# Altium PCB S6.PcbDoc (part 1 of 14) (continued)
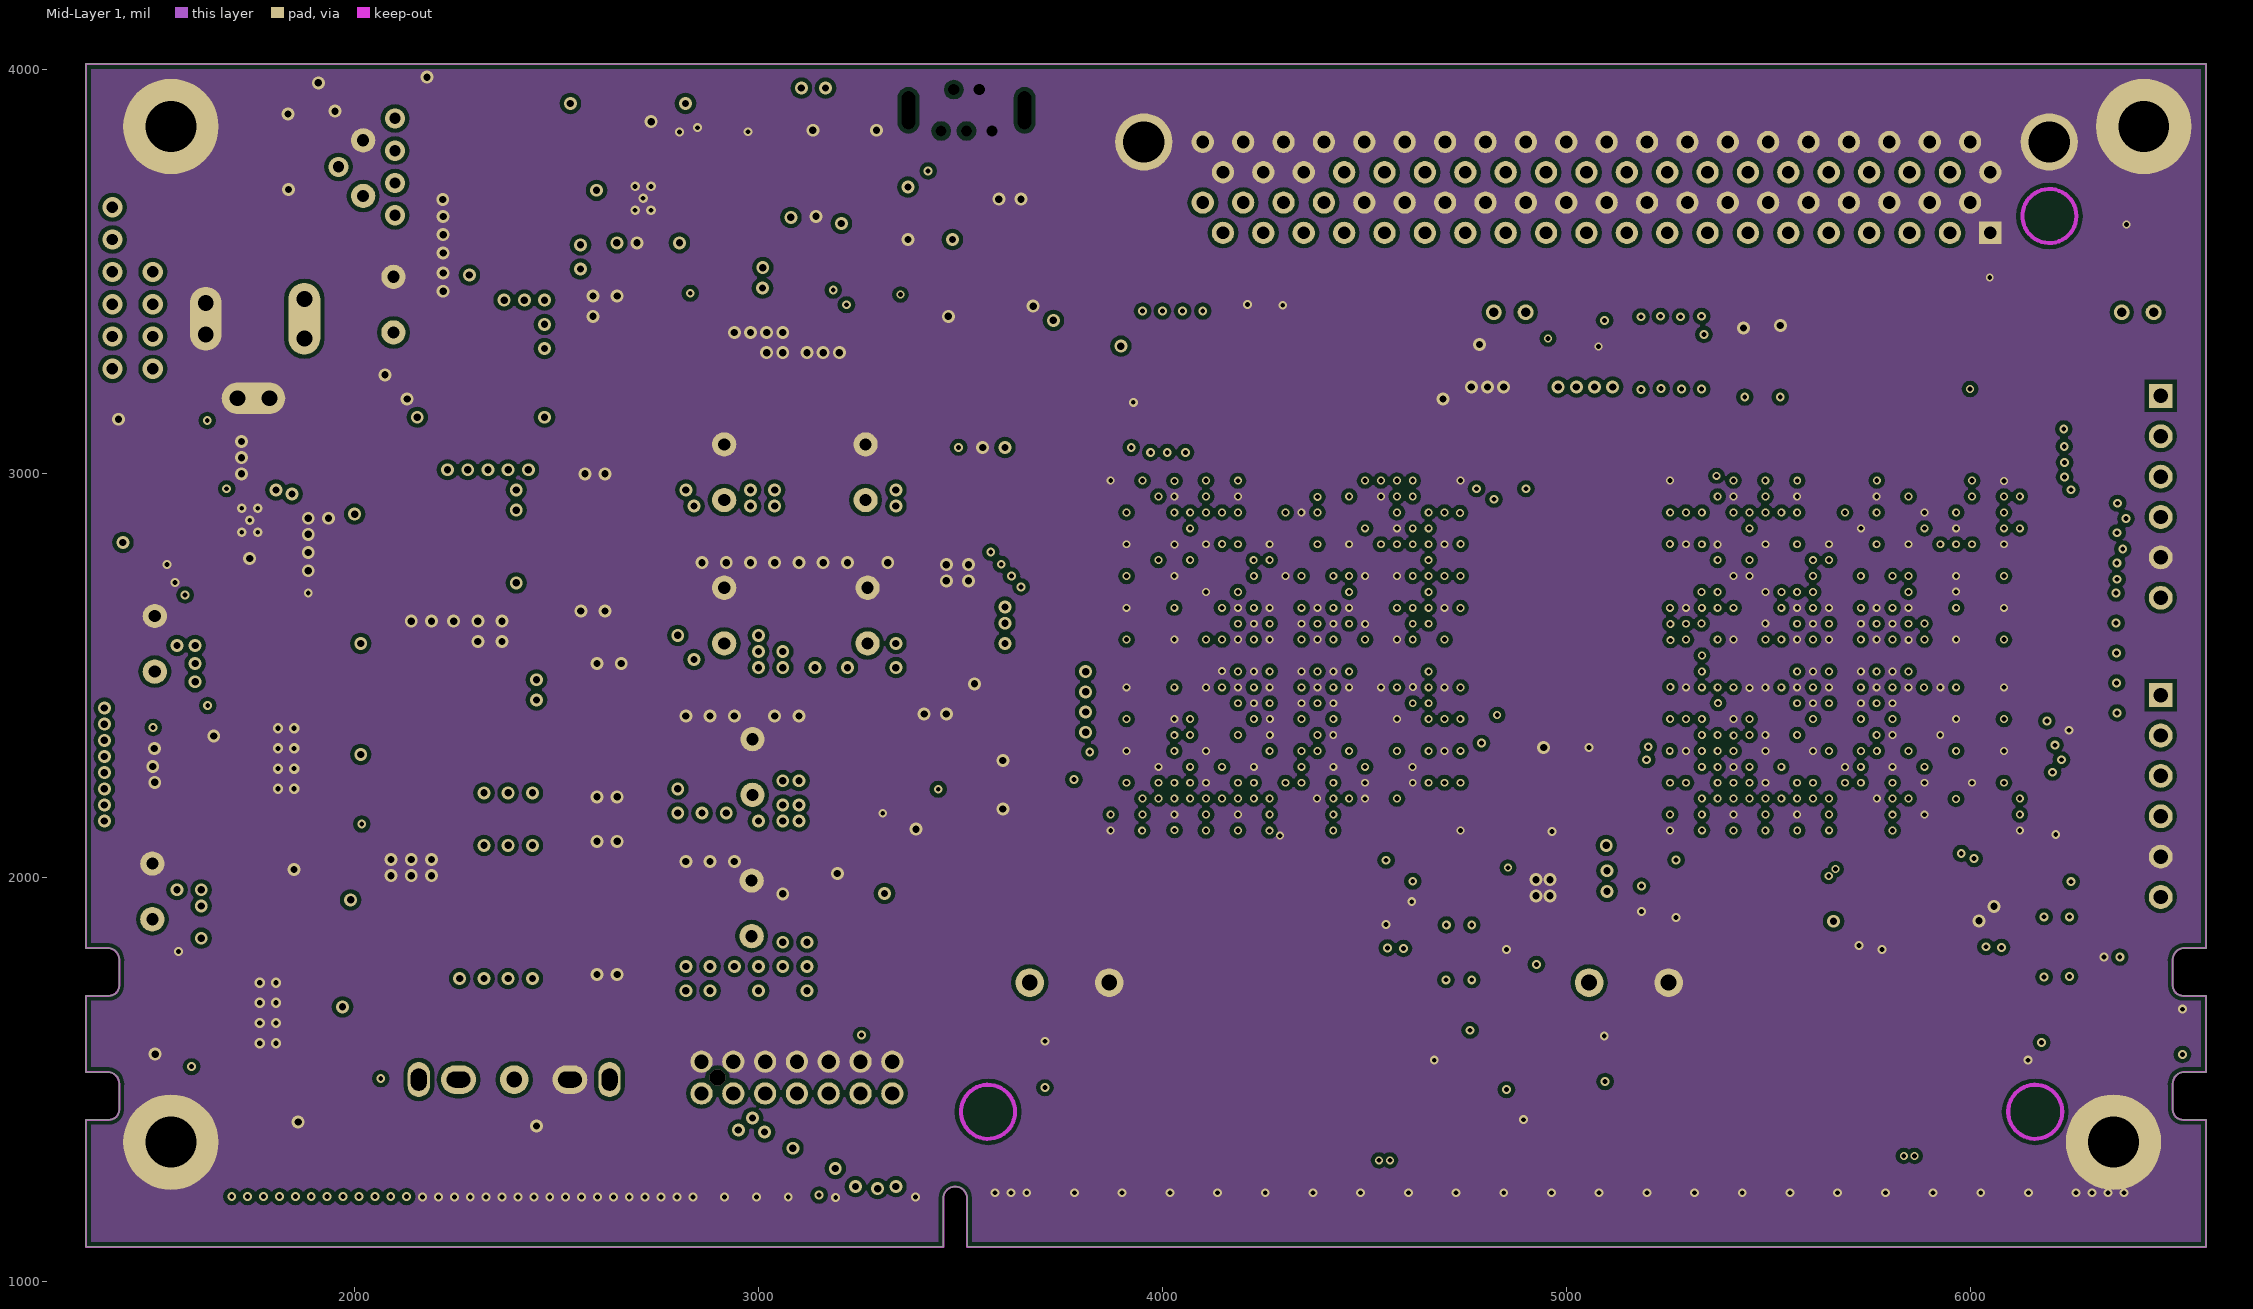
[diagram p5: Mid-Layer 1]

## Layer stack, top to bottom
Top Layer: signal copper 1.4
Dielectric: core 12.6, FR-4, Dk 4.8
Mid-Layer 2: signal copper 1.4
Dielectric: prepreg 12.6, FR-4, Dk 4.8
Mid-Layer 4: signal copper 1.4
Dielectric: core 12.6, FR-4, Dk 4.8
Mid-Layer 3: signal copper 1.4
Dielectric: prepreg 12.6, FR-4, Dk 4.8
Mid-Layer 1: signal copper 1.4
Dielectric: core 12.6, FR-4, Dk 4.8
Bottom Layer: signal copper 1.4

## Board outline
1334.39,1085.45 1334.39,1400.41 1391.48,1400.41 ccw(c1391.48,1426) 1417.07,1426 1417.07,1485.06 ccw(c1387.54,1488.99) 1391.48,1518.52 1334.39,1518.52 1334.39,1707.5 1391.48,1707.5 ccw(c1391.48,1733.09) 1417.07,1733.09 1417.07,1792.14 ccw(c1387.54,1796.08) 1391.48,1825.6 1391.48,1825.61 1334.39,1825.61 1334.39,4015 6584.39,4015 6584.39,1825.61 6527.31,1825.61 6527.31,1825.6 ccw(c6531.25,1796.08) 6501.72,1792.14 6501.72,1733.09 ccw(c6527.31,1733.09) 6527.31,1707.5 6584.39,1707.5 6584.39,1518.52 6527.31,1518.52 6527.3,1518.52 ccw(c6531.24,1488.99) 6501.71,1485.06 6501.72,1485.06 6501.72,1426 ccw(c6527.31,1426) 6527.31,1400.41 6584.39,1400.41 6584.39,1085.45 3516.48,1085.45 3516.48,1205.53 ccw(c3486.95,1205.53) 3457.42,1205.53 3457.43,1205.53 3457.43,1085.45

## Design rules (kind name [scope] priority, off if disabled: settings)
Clearance Clearance_4 [InNamedPolygon('15') Or  InNamedPolygon('t') Or  InNamedPolygon('11') Or  InNamedPolygon('w') Or  InNamedPolygon('13') Or  InNamedPolygon('y') Or  InNamedPolygon('r') Or  InNamedPolygon('21') Or  InNamedPolygon('20') Or  InNamedPolygon('12') Or  InNamedPolygon('18') Or  InNamedPolygon('19') Or  InNamedPolygon('x') Or  InNamedPolygon('s') Or  InNamedPolygon('16') Or  InNamedPolygon('14') Or  InNamedPolygon('z') Or  InNamedPolygon('v') Or  InNamedPolygon('17') Or  InNamedPolygon('u')] p1: gap=10
Clearance Clearance_3 [InNamedPolygon('f') Or  InNamedPolygon('4') Or  InNamedPolygon('d') Or  InNamedPolygon('i') Or  InNamedPolygon('9') Or  InNamedPolygon('2') Or  InNamedPolygon('a') Or  InNamedPolygon('b') Or  InNamedPolygon('e') Or  InNamedPolygon('5') Or  InNamedPolygon('8') Or  InNamedPolygon('1') Or  InNamedPolygon('h') Or  InNamedPolygon('3') Or  InNamedPolygon('6') Or  InNamedPolygon('g') Or  InNamedPolygon('c') Or  InNamedPolygon('7') Or  InNamedPolygon('j')] p2: gap=10
Clearance Clearance_2 [InNamedPolygon('k') Or  InNamedPolygon('n') Or  InNamedPolygon('o') Or  InNamedPolygon('q') Or  InNamedPolygon('l') Or  InNamedPolygon('p') Or  InNamedPolygon('m')] p3: gap=10
Clearance Clearance_1 [InNamedPolygon('TGMAIN2') Or  InNamedPolygon('TGMAIN2') Or  InNamedPolygon('TGMAIN2') Or  InNamedPolygon('TGMAIN2') Or  InNamedPolygon('TGMAIN2') Or  InNamedPolygon('TGMAIN2') Or  InNamedPolygon('TGMAIN2')] p4 off: gap=10
Clearance [All] p5: gap=5
ComponentClearance [All] p1 off: gap=10 collisioncheckmode=3 verticalgap=10 showdistances=FALSE
DiffPairsRouting [All] p1: maxlimit=100 minlimit=7 mostfreqgap=7 maxuncoupledlength=50
HoleSize [All] p1: absolutevalues=TRUE maxlimit=99999 minlimit=10 maxpercent=80.000 minpercent=20.000
MatchedLengths DiffPair_MatchedLengths [InDifferentialPair ('USB')] p1: tolerance=3.94 checknetsindiffpair=TRUE checkdiffpairvsdiffpair=TRUE checkothers=TRUE
MatchedLengths DiffPair_MatchedLengths_1 [InDifferentialPair ('USB')] p2: tolerance=3.94 checknetsindiffpair=TRUE checkdiffpairvsdiffpair=TRUE checkothers=TRUE
MatchedLengths DiffPair_MatchedLengths_2 [InDifferentialPair ('USB')] p3: tolerance=8 checknetsindiffpair=TRUE checkdiffpairvsdiffpair=TRUE checkothers=TRUE
MinimumSolderMaskSliver [All] p1 off: minsoldermaskwidth=10
PlaneConnect [IsVia] p1: planeconnectstyle=Direct reliefexpansion=20 reliefentries=4 reliefconductorwidth=10 reliefairgap=10
PlaneConnect PlaneConnect_1 [All] p2: planeconnectstyle=Relief reliefexpansion=20 reliefentries=4 reliefconductorwidth=10 reliefairgap=10
PolygonConnect PolygonConnect_4 [All vs IsNamedPolygon('11')  or IsNamedPolygon('15')  or IsNamedPolygon('18')  or IsNamedPolygon('19')  or IsNamedPolygon('20')  or IsNamedPolygon('21')  or IsNamedPolygon('r')  or IsNamedPolygon('t')  or IsNamedPolygon('v')  or IsNamedPolygon('w')] p1: connectstyle=Direct reliefconductorwidth=10 reliefentries=4 polygonreliefangle="90 Angle"
PolygonConnect PolygonConnect_3 [IsVia] p2: connectstyle=Direct reliefconductorwidth=10 reliefentries=4 polygonreliefangle="90 Angle"
PolygonConnect PolygonConnect_2 [All vs IsNamedPolygon('k') Or  IsNamedPolygon('n') Or  IsNamedPolygon('o') Or  IsNamedPolygon('q') Or  IsNamedPolygon('l') Or  IsNamedPolygon('p') Or  IsNamedPolygon('m')] p3: connectstyle=Direct reliefconductorwidth=10 reliefentries=4 polygonreliefangle="90 Angle"
PolygonConnect PolygonConnect_1 [All vs IsNamedPolygon('TGMAIN2') Or  IsNamedPolygon('TGMAIN2') Or  IsNamedPolygon('TGMAIN2') Or  IsNamedPolygon('TGMAIN2') Or  IsNamedPolygon('TGMAIN2') Or  IsNamedPolygon('TGMAIN2') Or  IsNamedPolygon('TGMAIN2')] p4: connectstyle=Direct reliefconductorwidth=10 reliefentries=4 polygonreliefangle="90 Angle"
PolygonConnect [All] p5: connectstyle=Relief reliefconductorwidth=25 reliefentries=4 polygonreliefangle="90 Angle"
RoutingVias [All] p1: holewidth=11.81 width=19.68 viastyle="Through Hole" minholewidth=7.87 minwidth=19.68 maxholewidth=28 maxwidth=50
SilkToSilkClearance [All] p1 off: silktosilkclearance=10
SilkscreenOverComponentPads [All] p1 off: minsilkscreentomaskgap=10
SolderMaskExpansion [All] p1: expansion=4
Width [All] p1: maxlimit=200 minlimit=5 preferedwidth=10 midlayer1_minwidth=8 midlayer2_minwidth=8 midlayer3_minwidth=8 midlayer4_minwidth=8 minimp=50.000000 maximp=50.000000 favimp=50.000000
21 further rules are at their usual default settings.

## Classes and differential pairs
component class FPGA2_POWER: C98 C99 C100 C101 C102 C103 C104 C105 C106 C107 C108 C109 C110 C111 C112 C113 C114 C115 C116 C117 C118 C119 C120 C121 C122 C123 C124 C125 C126 C127 C128 C129 C130 C131 C132 C133 C134 C135 C136 C137 C138 C139 C140 C141 C142 C143 C144 C145 C146 C147 C148 C149 C150 C151
component class DIMM_CONNECTOR: DIMM1 RN4
component class POWER: 12V C5 C6 C7 C8 C9 C10 C11 C12 C13 C14 C15 C16 C17 C18 C19 C20 C21 C22 C23 C24 C25 C26 C27 C28 C29 C30 C31 C32 C33 D1 D2 F1 L1 L2 PWR_OK Q1 Q2 Q3 Q4 Q5 Q10 Q11 R26 R27 R28 R29 R30 R31 R32 R33 R34 R35 R36 R37 R38 R39 R40 R41 R42 R43 R44 R45 R46 R79 R80 R81 S1 TP3 TP4 TP5 TP6 TP7 U5 U6
component class POWER_IO: C152 C153 C154 C155 C156 C157 C158 C159 C160 C161 C162 C163 C164 C165 C166 C167 C168 C169 C170 C171 C172 C173 D3 D4 L3 L4 Q8 Q9 R61 R62 R63 R64 R65 R66 R67 R68 R69 R70 R71 R72 R73 R74 R75 R76 R77 TP8 TP9 TP10 TP11 U9 U10
component class FPGA2: U2
component class FPGA1: U1
component class CONFIG: C1 C2 C3 C4 DONE1 DONE2 JTAG1 PROG1 PROG2 R1 R2 R3 R4 R5 R6 R7 R8 R9 R10 R11 R12 R13 R14 R15 R16 R17 R18 R19 R20 R21 R22 R23 R24 R25 RN1 RN2 RN3 TP1 TP2 U3 U4
component class USB2UART: C44 C45 C46 C47 Q6 Q7 R51 R52 R53 R54 R55 R56 R57 R58 R59 R60 RN13 RXD1 TXD1 U8 USB1
component class FPGA1_POWER: C48 C49 C50 C51 C52 C53 C54 C55 C56 C57 C58 C59 C60 C61 C62 C63 C64 C65 C66 C67 C68 C69 C70 C71 C72 C73 C74 C75 C76 C77 C78 C79 C80 C81 C82 C83 C84 C85 C86 C87 C88 C89 C90 C91 C92 C93 C94 C95 C96 C97
component class S6: C34 C35 C36 C37 C38 C39 C40 C41 C42 C43 FAN1 FAN2 FX1 LED1 LED2 LED3 LED4 LED5 LED6 LED7 LED8 P1 P2 Q12 Q13 R47 R48 R49 R50 R82 R83 RN5 RN6 RN7 RN8 RN9 RN10 RN11 RN12 S2 S3 U7 Y1
differential pair DIMM_FPGA1_12: +DIMM_FPGA1_12_P -DIMM_FPGA1_12_N
differential pair DIMM_FPGA1_10: +DIMM_FPGA1_10_P -DIMM_FPGA1_10_N
differential pair DIMM_FPGA1_8: +DIMM_FPGA1_8_P -DIMM_FPGA1_8_N
differential pair DIMM_FPGA1_22: +DIMM_FPGA1_22_P -DIMM_FPGA1_22_N
differential pair DIMM_FPGA1_21: +DIMM_FPGA1_21_P -DIMM_FPGA1_21_N
differential pair DIMM_FPGA1_20: +DIMM_FPGA1_20_P -DIMM_FPGA1_20_N
differential pair DIMM_FPGA1_18: +DIMM_FPGA1_18_P -DIMM_FPGA1_18_N
differential pair DIMM_FPGA1_16: +DIMM_FPGA1_16_P -DIMM_FPGA1_16_N
differential pair DIMM_FPGA1_15: +DIMM_FPGA1_15_P -DIMM_FPGA1_15_N
differential pair DIMM_FPGA1_14: +DIMM_FPGA1_14_P -DIMM_FPGA1_14_N
differential pair DIMM_FPGA1_13: +DIMM_FPGA1_13_P -DIMM_FPGA1_13_N
differential pair DIMM_FPGA1_11: +DIMM_FPGA1_11_P -DIMM_FPGA1_11_N
differential pair DIMM_FPGA1_9: +DIMM_FPGA1_9_P -DIMM_FPGA1_9_N
differential pair DIMM_FPGA1_7: +DIMM_FPGA1_7_P -DIMM_FPGA1_7_N
differential pair DIMM_FPGA1_6: +DIMM_FPGA1_6_P -DIMM_FPGA1_6_N
differential pair DIMM_FPGA1_5: +DIMM_FPGA1_5_P -DIMM_FPGA1_5_N
differential pair DIMM_FPGA1_4: +DIMM_FPGA1_4_P -DIMM_FPGA1_4_N
differential pair DIMM_FPGA1_3: +DIMM_FPGA1_3_P -DIMM_FPGA1_3_N
differential pair DIMM_FPGA1_2: +DIMM_FPGA1_2_P -DIMM_FPGA1_2_N
differential pair DIMM_FPGA1_1: +DIMM_FPGA1_1_P -DIMM_FPGA1_1_N
differential pair USB: +USB_P -USB_N
differential pair DIMM_FPGA1_17: +DIMM_FPGA1_17_P -DIMM_FPGA1_17_N
differential pair DIMM_FPGA1_19: +DIMM_FPGA1_19_P -DIMM_FPGA1_19_N
differential pair DIMM_FPGA2_1: +DIMM_FPGA2_1_P -DIMM_FPGA2_1_N
differential pair DIMM_FPGA2_2: +DIMM_FPGA2_2_P -DIMM_FPGA2_2_N
differential pair DIMM_FPGA2_3: +DIMM_FPGA2_3_P -DIMM_FPGA2_3_N
differential pair DIMM_FPGA2_4: +DIMM_FPGA2_4_P -DIMM_FPGA2_4_N
differential pair DIMM_FPGA2_5: +DIMM_FPGA2_5_P -DIMM_FPGA2_5_N
differential pair DIMM_FPGA2_6: +DIMM_FPGA2_6_P -DIMM_FPGA2_6_N
differential pair DIMM_FPGA2_7: +DIMM_FPGA2_7_P -DIMM_FPGA2_7_N
differential pair DIMM_FPGA2_8: +DIMM_FPGA2_8_P -DIMM_FPGA2_8_N
differential pair DIMM_FPGA2_9: +DIMM_FPGA2_9_P -DIMM_FPGA2_9_N
differential pair DIMM_FPGA2_10: +DIMM_FPGA2_10_P -DIMM_FPGA2_10_N
differential pair DIMM_FPGA2_11: +DIMM_FPGA2_11_P -DIMM_FPGA2_11_N
differential pair DIMM_FPGA2_12: +DIMM_FPGA2_12_P -DIMM_FPGA2_12_N
differential pair DIMM_FPGA2_13: +DIMM_FPGA2_13_P -DIMM_FPGA2_13_N
differential pair DIMM_FPGA2_14: +DIMM_FPGA2_14_P -DIMM_FPGA2_14_N
differential pair DIMM_FPGA2_15: +DIMM_FPGA2_15_P -DIMM_FPGA2_15_N
differential pair DIMM_FPGA2_16: +DIMM_FPGA2_16_P -DIMM_FPGA2_16_N
differential pair DIMM_FPGA2_17: +DIMM_FPGA2_17_P -DIMM_FPGA2_17_N
differential pair DIMM_FPGA2_18: +DIMM_FPGA2_18_P -DIMM_FPGA2_18_N
differential pair DIMM_FPGA2_19: +DIMM_FPGA2_19_P -DIMM_FPGA2_19_N
differential pair DIMM_FPGA2_20: +DIMM_FPGA2_20_P -DIMM_FPGA2_20_N
differential pair DIMM_FPGA2_21: +DIMM_FPGA2_21_P -DIMM_FPGA2_21_N
differential pair DIMM_FPGA2_22: +DIMM_FPGA2_22_P -DIMM_FPGA2_22_N
differential pair FX1_FPGA1_1: +FX1_FPGA1_1_P -FX1_FPGA1_1_N
differential pair FX1_FPGA1_2: +FX1_FPGA1_2_P -FX1_FPGA1_2_N
differential pair FX1_FPGA1_3: +FX1_FPGA1_3_P -FX1_FPGA1_3_N
differential pair FX1_FPGA1_4: +FX1_FPGA1_4_P -FX1_FPGA1_4_N
differential pair FX1_FPGA1_5: +FX1_FPGA1_5_P -FX1_FPGA1_5_N
differential pair FX1_FPGA1_6: +FX1_FPGA1_6_P -FX1_FPGA1_6_N
differential pair FX1_FPGA1_7: +FX1_FPGA1_7_P -FX1_FPGA1_7_N
differential pair FX1_FPGA1_8: +FX1_FPGA1_8_P -FX1_FPGA1_8_N
differential pair FPGA1_B1_1: +FPGA1_B1_1_P -FPGA1_B1_1_N
differential pair FPGA1_B1_2: +FPGA1_B1_2_P -FPGA1_B1_2_N
differential pair FPGA1_B1_3: +FPGA1_B1_3_P -FPGA1_B1_3_N
differential pair FPGA1_B1_4: +FPGA1_B1_4_P -FPGA1_B1_4_N
differential pair FPGA1_B1_5: +FPGA1_B1_5_P -FPGA1_B1_5_N
differential pair FPGA1_B1_6: +FPGA1_B1_6_P -FPGA1_B1_6_N
differential pair FPGA1_B1_7: +FPGA1_B1_7_P -FPGA1_B1_7_N
differential pair FPGA1_B1_8: +FPGA1_B1_8_P -FPGA1_B1_8_N
differential pair FPGA1_B1_9: +FPGA1_B1_9_P -FPGA1_B1_9_N
differential pair FPGA1_B1_10: +FPGA1_B1_10_P -FPGA1_B1_10_N
differential pair FPGA1_B1_11: +FPGA1_B1_11_P -FPGA1_B1_11_N
differential pair FPGA1_B1_12: +FPGA1_B1_12_P -FPGA1_B1_12_N
differential pair FPGA1_B1_13: +FPGA1_B1_13_P -FPGA1_B1_13_N
differential pair FPGA1_B1_14: +FPGA1_B1_14_P -FPGA1_B1_14_N
differential pair FPGA1_B1_15: +FPGA1_B1_15_P -FPGA1_B1_15_N
differential pair FPGA1_B1_16: +FPGA1_B1_16_P -FPGA1_B1_16_N
differential pair FPGA1_B1_17: +FPGA1_B1_17_P -FPGA1_B1_17_N
differential pair FPGA1_B1_18: +FPGA1_B1_18_P -FPGA1_B1_18_N
differential pair FPGA1_B1_19: +FPGA1_B1_19_P -FPGA1_B1_19_N
differential pair FPGA1_B1_20: +FPGA1_B1_20_P -FPGA1_B1_20_N
differential pair FPGA1_B1_21: +FPGA1_B1_21_P -FPGA1_B1_21_N
differential pair FPGA1_B1_22: +FPGA1_B1_22_P -FPGA1_B1_22_N
differential pair FPGA1_B1_23: +FPGA1_B1_23_P -FPGA1_B1_23_N
differential pair FPGA1_B1_24: +FPGA1_B1_24_P -FPGA1_B1_24_N
differential pair FPGA1_B1_25: +FPGA1_B1_25_P -FPGA1_B1_25_N
differential pair FX1_FPGA2_1: +FX1_FPGA2_1_P -FX1_FPGA2_1_N
differential pair FX1_FPGA2_2: +FX1_FPGA2_2_P -FX1_FPGA2_2_N
differential pair FX1_FPGA2_3: +FX1_FPGA2_3_P -FX1_FPGA2_3_N
differential pair FX1_FPGA2_4: +FX1_FPGA2_4_P -FX1_FPGA2_4_N
differential pair FX1_FPGA2_5: +FX1_FPGA2_5_P -FX1_FPGA2_5_N
differential pair FX1_FPGA2_6: +FX1_FPGA2_6_P -FX1_FPGA2_6_N
differential pair FX1_FPGA2_7: +FX1_FPGA2_7_P -FX1_FPGA2_7_N
differential pair FX1_FPGA2_8: +FX1_FPGA2_8_P -FX1_FPGA2_8_N

## Components (designator, comment, footprint, x,y, rotation, side; value= is the part's Value field where it differs from the comment)
12V "PWR2.5" KLD-0202 1336,3384 r0 top
C1 "0.47uF" 0402 3690,1562 r0 top
C2 "0.47uF" 0402 5074,1572 r0 top
C3 "0.47uF" 0402 4872,1785 r0 top
C4 "0.47uF" 0402 6351,1771 r0 top
C5 "10uF" C1206 1829,3703.67 r180 bottom
C6 "270uF/16V" CAP8X8 2096,3490 r180 top
C7 "10uF" C1206 2025,3185 r180 top
C8 "10uF" C1206 2025,3185 r180 bottom
C9 "0.01uF" 1608[0603] 1495,2915 r0 top
C10 "0.1uF" 1608[0603] 1810,3015 r180 top
C11 "820uF/2.5V" CAP8X8 2915,2720 r180 top
C12 "820uF/2.5V" CAP8X8 3270,2720 r180 top
C13 "22uF" C1206 3140,2645 r270 bottom
C14 "1uF" 1608[0603] 3065,2645 r270 bottom
C15 "100pF" 1608[0603] 1495,2980 r0 top
C16 "4.7uF" C0805 1600,2805 r270 top
C17 "4.7uF" C0805 1770,2745 r0 top
C18 "0.1uF" 1608[0603] 2425,1335 r180 top
C19 "1000pF" 1608[0603] 1580,3065 r270 top
C20 "10uF" C1206 1829,3891 r180 bottom
C21 "270uF/16V" CAP8X8 2021,3828 r180 top
C22 "10uF" C1206 2023,3968 r0 top
C23 "10uF" C1206 2179,3847 r270 bottom
C24 "0.01uF" 1608[0603] 2949,3667 r180 top
C25 "0.1uF" 1608[0603] 2569,3812 r90 top
C26 "820uF/2.5V" CAP8X8 2915,3075 r180 top
C27 "820uF/2.5V" CAP8X8 3265,3075 r180 top
C28 "22uF" C1206 2870,3270 r270 top
C29 "1uF" 1608[0603] 2955,3270 r270 top
C30 "100pF" 1608[0603] 2949,3612 r180 top
C31 "4.7uF" C0805 2849,3772 r270 top
C32 "4.7uF" C0805 2679,3822 r0 top
C33 "1000pF" 1608[0603] 2904,3447 r180 top
C34 "0.1uF" 1608[0603] 3280,2010 r0 top
C35 "0.1uF" 1608[0603] 3280,2120 r180 top
C36 "0.1uF" 1608[0603] 3445,2320 r90 top
C37 "0.1uF" 1608[0603] 3445,2145 r90 top
C38 "0.1uF" 1608[0603] 4180,3478 r90 top
C39 "0.1uF" 1608[0603] 4331,3478 r90 top
C40 "0.1uF" 1608[0603] 6415,3575 r180 top
C41 "0.1uF" 1608[0603] 4860,3285 r180 top
C42 "0.1uF" 1608[0603] 6550,2002 r270 bottom
C43 "0.1uF" 1608[0603] 6548,2748 r270 bottom
C44 "0.1uF" 1608[0603] 3595,3605 r90 top
C45 "0.1uF" 1608[0603] 3523,3115 r180 top
C46 "22uF" C1206 3425,3645 r0 top
C47 "0.1uF" 1608[0603] 3650,3605 r90 top
C48 "0.47uF" 0402 5532,2865 r0 bottom
C49 "0.47uF" 0402 3951,2432 r270 bottom
C50 "0.47uF" 0402 4305,2333 r90 bottom
C51 "0.47uF" 0402 4088.46,2333.46 r225 bottom
C52 "0.47uF" 0402 4679,2272 r0 bottom
C53 "0.47uF" 0402 3951,2629 r270 bottom
C54 "0.47uF" 0402 3951,2787 r270 bottom
C55 "0.47uF" 0402 5651,2377 r90 bottom
C56 "0.47uF" 0402 5927,2550 r180 bottom
C57 "0.47uF" 0402 4600,2511 r180 bottom
C58 "0.47uF" 0402 4502,2786 r0 bottom
C59 "0.47uF" 0402 4522,2905 r180 bottom
C60 "0.47uF" 0402 5336,2787 r225 bottom
C61 "0.47uF" 0402 4620,2904 r45 bottom
C62 "0.47uF" 0402 4502,2687 r90 bottom
C63 "0.47uF" 0402 6044,2275 r270 bottom
C64 "0.47uF" 0402 6005,2352 r270 bottom
C65 "0.47uF" 0402 5985,2787 r0 bottom
C66 "0.47uF" 0402 5690,2334 r90 bottom
C67 "0.47uF" 0402 6045,2432 r270 bottom
C68 "0.47uF" 0402 6084,2530 r90 bottom
C69 "0.47uF" 0402 6006,2904 r45 bottom
C70 "0.47uF" 0402 5927,2905 r225 bottom
C71 "0.47uF" 0402 5887,2787 r0 bottom
C72 "4.7uF" C0805 5132,2308 r0 bottom
C73 "4.7uF" C0805 4860,2335 r180 bottom
C74 "4.7uF" C0805 5272,1977 r90 top
C75 "0.47uF" 0402 6005,2195 r225 bottom
C76 "0.47uF" 0402 5923,2238 r315 bottom
C77 "0.47uF" 0402 4560,2235 r0 bottom
C78 "220uF" D 3640,2602 r180 bottom
C79 "22uF" C1206 3587,2644 r0 top
C80 "22uF" C1206 3588,2556 r0 top
C81 "22uF" C1206 3680,2480 r0 bottom
C82 "4.7uF" C0805 4483,2392 r90 bottom
C83 "4.7uF" C0805 4147,2767 r0 bottom
C84 "4.7uF" C0805 3700,2400 r0 bottom
C85 "0.47uF" 0402 4364,2551 r0 bottom
C86 "0.47uF" 0402 4305,2609 r90 bottom
C87 "0.47uF" 0402 4443,2550 r180 bottom
C88 "0.47uF" 0402 4246,2550 r180 bottom
C89 "0.47uF" 0402 4305,2491 r270 bottom
C90 "0.47uF" 0402 4167,2550 r0 bottom
C91 "0.47uF" 0402 4384,2392 r315 bottom
C92 "0.47uF" 0402 4364,2708 r180 bottom
C93 "0.47uF" 0402 4246,2708 r180 bottom
C94 "0.47uF" 0402 4305,2688 r270 bottom
C95 "0.47uF" 0402 4305,2412 r90 bottom
C96 "0.47uF" 0402 4128,2432 r0 bottom
C97 "0.47uF" 0402 4148,2628 r135 bottom
C98 "0.47uF" 0402 4088,2550 r0 bottom
C99 "0.47uF" 0402 4522,2550 r180 bottom
C100 "0.47uF" 0402 3872,2275 r270 bottom
C101 "0.47uF" 0402 4673,2356 r0 bottom
C102 "0.47uF" 0402 3990,2431 r90 bottom
C103 "0.47uF" 0402 4541,2353 r270 bottom
C104 "0.47uF" 0402 4600,2786 r0 bottom
C105 "0.47uF" 0402 4542,2713 r270 bottom
C106 "0.47uF" 0402 3949,2905 r135 bottom
C107 "0.47uF" 0402 4324.69,2805.91 r270 bottom
C108 "0.47uF" 0402 4423,2804 r270 bottom
C109 "0.47uF" 0402 4226,2945 r270 bottom
C110 "0.47uF" 0402 5454,2314 r225 bottom
C111 "0.47uF" 0402 6044,2865 r90 bottom
C112 "0.47uF" 0402 5689,2786 r270 bottom
C113 "0.47uF" 0402 5680,2865 r180 bottom
C114 "0.47uF" 0402 4304,2872 r180 bottom
C115 "0.47uF" 0402 5415,2805 r270 bottom
C116 "0.47uF" 0402 5434,2431 r0 bottom
C117 "0.47uF" 0402 5532,2550 r180 bottom
C118 "0.47uF" 0402 5414,2530 r270 bottom
C119 "0.47uF" 0402 5434,2708 r180 bottom
C120 "0.47uF" 0402 6045,2707 r90 bottom
C121 "0.47uF" 0402 5336,2865 r135 bottom
C122 "4.7uF" C0805 5530,3278 r270 top
C123 "4.7uF" C0805 5459,3278 r270 top
C124 "0.47uF" 0402 5532,2334 r270 bottom
C125 "0.47uF" 0402 4305,2155 r90 bottom
C126 "0.47uF" 0402 5769,2274 r135 bottom
C127 "4.7uF" C0805 5995,1977 r90 top
C128 "4.7uF" C0805 4554,1970 r90 top
C129 "0.47uF" 0402 4127.83,2294.09 r45 bottom
C130 "0.47uF" 0402 4561,2274 r180 bottom
C131 "0.47uF" 0402 4286,2274 r0 bottom
C132 "220uF" D 4903,3140 r180 bottom
C133 "22uF" C1206 4985,2066 r0 bottom
C134 "22uF" C1206 5728,1912 r135 bottom
C135 "22uF" C1206 3140,3015 r270 bottom
C136 "4.7uF" C0805 5868,2392 r90 bottom
C137 "4.7uF" C0805 5906.54,2687.8 r270 bottom
C138 "4.7uF" C0805 5533,2767 r0 bottom
C139 "0.47uF" 0402 5690,2609 r90 bottom
C140 "0.47uF" 0402 5631,2550 r180 bottom
C141 "0.47uF" 0402 5690,2491 r270 bottom
C142 "0.47uF" 0402 5749,2550 r180 bottom
C143 "0.47uF" 0402 5473,2667 r0 bottom
C144 "0.47uF" 0402 5788,2707 r0 bottom
C145 "0.47uF" 0402 5689,2688 r270 bottom
C146 "0.47uF" 0402 5690,2412 r90 bottom
C147 "0.47uF" 0402 5532,2629 r315 bottom
C148 "0.47uF" 0402 5513,2511 r0 bottom
C149 "0.47uF" 0402 5769,2392 r315 bottom
C150 "0.47uF" 0402 5512,2432 r0 bottom
C151 "0.47uF" 0402 5828,2550 r180 bottom
C152 "10uF" C1206 1495,2236 r180 bottom
C153 "0.1uF" 1608[0603] 1895,1885 r0 top
C154 "270uF/16V" CAP8X8 1499,2037 r180 top
C155 "470uF/6V" CAP8X8 2983,1995 r180 top
C156 "10uF" C1206 1738,1844 r180 top
C157 "1uF" 1608[0603] 1753,1929 r180 top
C158 "22uF" C1206 2880,1920 r270 bottom
C159 "1uF" 1608[0603] 2030,1635 r180 top
C160 "0.082uF" 1608[0603] 1720,1445 r0 top
C161 "0.033uF" 1608[0603] 2025,1475 r90 top
C162 "1800pF" 1608[0603] 1720,1500 r0 top
C163 "10uF" C1206 1495,2320 r180 bottom
C164 "0.1uF" 1608[0603] 1940,2510 r180 top
C165 "270uF/16V" CAP8X8 1505,2650 r180 top
C166 "470uF/6V" CAP8X8 2985,2345 r180 top
C167 "10uF" C1206 1780,2480 r180 top
C168 "1uF" 1608[0603] 1775,2555 r180 top
C169 "22uF" C1206 2885,2280 r270 bottom
C170 "1uF" 1608[0603] 2090,2260 r0 top
C171 "0.082uF" 1608[0603] 1672,2098 r0 top
C172 "0.033nF" 1608[0603] 1970,2105 r90 top
C173 "1800pF" 1608[0603] 1672,2149 r0 top
D1 "SS12" SMA 2510,2820 r180 bottom
D2 "SS12" SMA 2535,3245 r180 bottom
D3 "SS12" SMA 2545,1920 r180 bottom
D4 "SS12" SMA 2555,2360 r180 bottom
DIMM1 "DIMM240" DIMM240 3470,1400 r0 top locked
DONE1 "LED3" CD1608-0603 5000,2192 r0 top
DONE2 "LED3" CD1608-0603 6314,2154 r270 top
F1 "Fuse" 12Z-2010 1619,3642 r180 top
FAN1 "Header 2" 2PINFAN 4860,3400 r0 top
FAN2 "Header 2" 2PINFAN 6415,3400 r0 top
FX1 "1734037-1" 1734037-1 5095,4010 r0 top locked (schematic designator CON1)
JTAG1 "Header 7X2" MOLEX14P 3095,1505 r180 top
L1 "IHLP4040DZ11" IHLP4040 2475,2825 r0 top
L2 "IHLP4040DZ11" IHLP4040 2525,3270 r0 top
L3 "IHLP4040DZ11" IHLP4040 2520,1920 r0 top
L4 "IHLP4040DZ11" IHLP4040 2520,2370 r0 top
LED1 "LED3" CD1608-0603 6283,2927 r0 top
LED2 "LED3" CD1608-0603 6283,2852.86 r0 top
LED3 "LED3" CD1608-0603 6283,2778.71 r0 top
LED4 "LED3" CD1608-0603 6283,2704.57 r0 top
LED5 "LED3" CD1608-0603 6283,2630.43 r0 top
LED6 "LED3" CD1608-0603 6283,2556.29 r0 top
LED7 "LED3" CD1608-0603 6283,2482.14 r0 top
LED8 "LED3" CD1608-0603 6283,2408 r0 top
M2 "MASK" MASK#1 6161.23,1420.29 r0 top
M3 "MASK" MASK#1 3568.23,1420.29 r0 top (schematic designator M2)
M4 "MASK" MASK#1 6196.23,3638.29 r0 top (schematic designator M2)
M6 "MASK" MASK#2 6161.23,1420.29 r180 bottom (schematic designator M2)
M7 "MASK" MASK#2 3568.23,1420.29 r180 bottom (schematic designator M2)
M8 "MASK" MASK#2 6196.23,3638.29 r180 bottom (schematic designator M2)
P1 "Header 6" HDR1X6 6472,2452 r270 top
P2 "Header 6" HDR1X6 6472,3193 r270 top
PROG1 "SW-PB" SW_2 3769.91,1740 r180 top
PROG2 "SW-PB" SW_2 5155,1740 r180 top
PWR_OK "LED3" CD1608-0603 3205,3535 r270 top
Q1 "HAT2168H" LFPAK 2045,3020 r180 top
Q2 "HAT2167H" LFPAK 2045,2780 r0 top
Q3 "HAT2168H" LFPAK 2369,3842 r180 top
Q4 "HAT2167H" LFPAK 2394,3617 r0 top
Q5 "2N7002K" SOT23_N 3105,3530 r270 bottom
Q6 "2N7002K" SOT23_N 3093,3770 r180 top
Q7 "2N7002K" SOT23_N 3251,3770 r180 top
Q8 "HAT2168H" LFPAK 2115,1835 r270 top
Q9 "HAT2168H" LFPAK 2140,2470 r270 top
Q10 "MMBT3904" SOT23_N 3251,3710.94 r0 bottom
Q11 "2N7002K" SOT23_N 3320,3485 r270 bottom
Q12 "2N7002K" SOT23_N 5020,3360 r270 bottom
Q13 "2N7002K" SOT23_N 6090,3400 r0 bottom
R1 "4.7K" 0402 4836,2128 r180 top
R2 "4.7K" 0402 4463,2274 r45 bottom
R3 "4.7K" 0402 6200,2156 r180 bottom
R4 "4.7K" 0402 5848,2275 r45 bottom
R5 "4.7K" 0402 3912,3023 r0 bottom
R6 "4.7K" 0402 4147,2393 r180 bottom
R7 "4.7K" 0402 5532,2393 r180 bottom
R8 "4.7K" 0402 3690,1519 r180 top
R9 "4.7K" 0402 5075,1532 r180 top
R10 "4.7K" 0402 5335,3044 r270 bottom
R11 "270R" 0402 4836,2165 r180 top
R12 "27R" 0402 5002,2144 r180 top
R13 "NC" 0402 4842,2963 r180 top
R14 "100R" 0402 4914,1475 r0 top
R15 "270R" 0402 6200,2190 r180 bottom
R16 "1.8K" 0402 4703,1690 r90 bottom
R17 "100R" 0402 4914,1439 r180 top
R18 "1.8K" 0402 4755,1690 r90 bottom
R19 "4.7K" 0402 4577,1788 r180 top
R20 "100R" 0402 6506,1598 r180 top
R21 "27R" 0402 6231,2144 r180 top
R22 "1.8K" 0402 6177,1688 r90 bottom
R23 "100R" 0402 6506,1634 r0 top
R24 "1.8K" 0402 6230,1688 r90 bottom
R25 "4.7K" 0402 6058,1793 r180 top
R26 "0R" C1206 1829,3610 r180 bottom
R27 "0R" J1-0603 1505,2830 r180 top
R28 "4.22K" J1-0603 1580,2945 r270 top
R29 "0R" J1-0603 1810,3070 r0 top
R30 "100K" J1-0603 1675,2730 r270 top
R31 "3.9K" J1-0603 1415,3065 r270 top
R32 "20K" J1-0603 1635,3065 r270 top
R33 "17.9K" J1-0603 1470,3065 r90 top
R34 "2.61K" J1-0603 1525,3065 r270 top
R35 "0R" C1206 1829,3797.33 r180 bottom
R36 "0R" J1-0603 2919,3772 r90 top
R37 "4.22K" J1-0603 2869,3637 r90 top
R38 "0R" J1-0603 2609,3912 r0 top
R39 "270R" J1-0603 3205,3535 r270 bottom
R40 "3.9K" J1-0603 2974,3772 r270 top
R41 "100K" J1-0603 2734,3912 r180 top
R42 "0R" J1-0603 3135,3540 r270 top
R43 "NC" J1-0603 3080,3540 r270 top
R44 "20K" J1-0603 2904,3557 r180 top
R45 "17.9K" J1-0603 2724,3527 r0 top
R46 "2.61K" J1-0603 2904,3502 r180 top
R47 "0R" J1-0603 3280,2065 r0 top
R48 "0R" J1-0603 3530,2385 r90 top
R49 "0R" J1-0603 3505,2050 r90 top
R50 "0R" J1-0603 3560,2050 r90 top
R51 "0R" J1-0603 3425,3645 r180 bottom
R52 "4.7K" J1-0603 3640,3115 r180 top
R53 "1.5K" J1-0603 3815,3605 r270 top
R54 "27R" J1-0603 3705,3605 r90 top
R55 "27R" J1-0603 3760,3605 r90 top
R56 "0R" J1-0603 3775,3900 r180 bottom
R57 "1K" J1-0603 3046,3920 r270 bottom
R58 "1K" J1-0603 3221,3915 r270 bottom
R59 "1.5K" J1-0603 3305,3335 r0 top
R60 "1.5K" J1-0603 3305,3390 r0 top
R61 "0R" C1206 1494,2153 r180 bottom
R62 "0R" J1-0603 1895,1830 r180 top
R63 "NC" J1-0603 1534,1722 r180 top
R64 "NC" J1-0603 1534,1771 r0 top
R65 "NC" J1-0603 1535,1611 r180 top
R66 "1K" J1-0603 1945,1505 r180 top
R67 "768R" J1-0603 1805,1475 r90 top
R68 "137R" J1-0603 1945,1450 r180 top
R69 "374R" J1-0603 1860,1475 r90 top
R70 "0R" C1206 1495,2405 r180 bottom
R71 "0R" J1-0603 1940,2455 r180 top
R72 "110K" J1-0603 1580,2275 r180 top
R73 "768R" J1-0603 1755,2105 r270 top
R74 "1K" J1-0603 1890,2130 r180 top
R75 "137R" J1-0603 1890,2075 r180 top
R76 "10K" J1-0603 1580,2345 r180 top
R77 "549R" J1-0603 1810,2105 r270 top
R79 "1K" J1-0603 3110,3700 r180 bottom
R80 "1K" J1-0603 3360,3760 r180 bottom
R81 "20K" J1-0603 5015,3473 r180 bottom
R82 "10R" J1-0603 4850,3320 r180 bottom
R83 "10R" J1-0603 6240,3400 r0 bottom
RN1 "100R" EXBV8V 3285,1310 r180 top
RN2 "100R" EXBV8V 4719,1812 r0 top
RN3 "100R" EXBV8V 6199,1828 r0 top
RN4 "100R" EXBV8V 3000,1300 r180 top
RN5 "100R" EXBV8V 4020,3329 r180 bottom
RN6 "4.7K" EXBV8V 4026,3165 r0 bottom
RN7 "100R" EXBV8V 5255,3310 r180 bottom
RN8 "4.7K" EXBV8V 5260,3145 r180 bottom
RN9 "100R" EXBV8V 6285,2814 r90 bottom
RN10 "100R" EXBV8V 6283,2554 r90 bottom
RN11 "100R" EXBV8V 6318,2303 r90 top
RN12 "100R" EXBV8V 6318,3039 r90 top
RN13 "100R" EXBV8V 3570,2940 r0 top
RXD1 "LED3" CD1608-0603 3221,3920 r270 top
S1 "SW-SPDT" SW_3 2395,1500 r180 top
S2 "SW-DIP4" SO8_N 4025,3375 r90 top
S3 "SW-DIP4" SO8_N 5260,3370 r90 top
TP1 "TP" TP 3758,2311 r90 top
TP2 "TP" TP 5160,2323 r90 top
TP3 "TP" TP 3570,2730 r90 top
TP4 "TP" TP 2315,1335 r90 top
TP5 "TP" TP 1620,2720 r90 top
TP6 "TP" TP 5090,3280 r90 top
TP7 "TP" TP 3140,3410 r90 top
TP8 "TP" TP 3397,1960 r90 top
TP9 "TP" TP 1600,2190 r90 top
TP10 "TP" TP 3170,2160 r90 top
TP11 "TP" TP 1610,2400 r90 top
TXD1 "LED3" CD1608-0603 3046,3920 r270 top
U1 "XC6SLX150-N3FG484C" FG484 4305,2550 r0 top locked
U2 "XC6SLX150-N3FG484C" FG484 5690,2550 r0 top locked
U3 "W25Q64CV" WSON6X5#1 4723,1623 r270 top
U4 "W25Q64CV" WSON6X5#2 6202,1623 r270 top
U5 "TPS40193" SON10 1740,2885 r0 top
U6 "TPS40193" SON10 2714,3682 r180 top
U7 "74AVCH2T45" SOT765-1 3530,2230 r0 top
U8 "PL2303HXD" SSOP28_N 3585,3345 r90 top
U9 "TPS54350" TSSOP16_PP 1785,1665 r0 top
U10 "TPS54350" TSSOP16_PP 1830,2295 r0 top
USB1 "5000750517" 5000750517 3515,3900 r0 top
Y1 "2SMX" SMX2 3305,2305 r90 top

## Footprints (in the part's own frame and the unit in brackets; to place one, negate y for a bottom-side part, rotate by r counter-clockwise, add the part's x,y. Pads: shape width x height; smd on the part's side, far side on the other; paste and mask are expansions set on the pad)
2PINFAN [mm]
  round 1 hole 0.6: 1(-1,0) 2(1,0)
  silkscreen extent -3,-2 3,2.51
12Z-2010 [mm] "Chip Resistor, Body 5.0x2.5mm, IPC High Density"
  rect 1.2x2.6 smd: 1(-2.2,0) 2(2.2,0)
  silkscreen extent -1.2,-1.2 1.2,1.2, body extent -2.58,-1.33 2.58,1.33, height 0.9
0402 [mm] "Chip Capacitor, Body 1.0x0.5mm, IPC High Density"
  rect 0.6x0.5 smd: 1(-0.5,0) 2(0.5,0)
  body extent -0.55,-0.3 0.55,0.3, height 1.3
1608[0603] [mm] "Chip Capacitor, Body 1.6x0.8mm, IPC High Density"
  rect 0.8x0.9 smd: 1(-0.7,0) 2(0.7,0)
  body extent -0.87,-0.48 0.87,0.48, height 1.3
1734037-1 [mm]
  rect 1.4x1.4 hole 0.8: 1(24.257,-10.5)
  round 1.4 hole 0.8: 2(22.987,-8.595) 3(21.717,-10.5) 4(20.447,-8.595) 5(19.177,-10.5) 6(17.907,-8.595) 7(16.637,-10.5) 8(15.367,-8.595) 9(14.097,-10.5) 10(12.827,-8.595) 11(11.557,-10.5) 12(10.287,-8.595) 13(9.017,-10.5) 14(7.747,-8.595) 15(6.477,-10.5) 16(5.207,-8.595) 17(3.937,-10.5) 18(2.667,-8.595) 19(1.397,-10.5) 20(0.127,-8.595) 21(-1.143,-10.5) 22(-2.413,-8.595) 23(-3.683,-10.5) 24(-4.953,-8.595) 25(-6.223,-10.5) 26(-7.493,-8.595) 27(-8.763,-10.5) 28(-10.033,-8.595) 29(-11.303,-10.5) 30(-12.573,-8.595) 31(-13.843,-10.5) 32(-15.113,-8.595) 33(-16.383,-10.5) 34(-17.653,-8.595) 35(-18.923,-10.5) 36(-20.193,-8.595) 37(-21.463,-10.5) 38(-22.733,-8.595) 39(-24.003,-10.5) 40(-25.273,-8.595) 41(24.257,-6.69) 42(22.987,-4.785) 43(21.717,-6.69) 44(20.447,-4.785) 45(19.177,-6.69) 46(17.907,-4.785) 47(16.637,-6.69) 48(15.367,-4.785) 49(14.097,-6.69) 50(12.827,-4.785) 51(11.557,-6.69) 52(10.287,-4.785) 53(9.017,-6.69) 54(7.747,-4.785) 55(6.477,-6.69) 56(5.207,-4.785) 57(3.937,-6.69) 58(2.667,-4.785) 59(1.397,-6.69) 60(0.127,-4.785) 61(-1.143,-6.69) 62(-2.413,-4.785) 63(-3.683,-6.69) 64(-4.953,-4.785) 65(-6.223,-6.69) 66(-7.493,-4.785) 67(-8.763,-6.69) 68(-10.033,-4.785) 69(-11.303,-6.69) 70(-12.573,-4.785) 71(-13.843,-6.69) 72(-15.113,-4.785) 73(-16.383,-6.69) 74(-17.653,-4.785) 75(-18.923,-6.69) 76(-20.193,-4.785) 77(-21.463,-6.69) 78(-22.733,-4.785) 79(-24.003,-6.69) 80(-25.273,-4.785)
  round 3.6 hole 2.6: 81(-28.981,-4.785) 82(27.965,-4.785)
  silkscreen extent -31.04,-11.8 30.02,0
5000750517 [mm] "Connector; USB Mini-B, Type 2, Thru-Hole; 5 Position; Vertical"
  round 0.4 / inner round 0.4 / far side oval 1.1x1.7 hole 0.7: 1(-1.6,-1.3) 2(-0.8,1.3) 3(0,-1.3) 4(0.8,1.3) 5(1.6,-1.3)
  oval 0.55x2.1 / inner oval 0.55x2.1 / far side oval 1.6x3.9 hole 0.85 slot 2.4 at 90 deg: 6(3.65,0) 7(-3.65,0)
  silkscreen extent -2.91,-2.77 2.91,2.4, body extent -3.85,-2.1 3.85,2.4, height 7.7
C0805 [mm] "Chip Capacitor, Body 2.0x1.3mm, IPC High Density"
  rect 1.1x1.4 smd: 1(-0.75,0) 2(0.75,0)
  body extent -1.1,-0.72 1.1,0.72, height 1.4
C1206 [mm] "Chip Capacitor, Body 3.2x1.6mm, IPC High Density"
  rect 1.1x1.7 smd: 1(-1.35,0) 2(1.35,0)
  silkscreen extent -0.4,-0.75 0.4,0.75, body extent -1.7,-0.9 1.7,0.9, height 1.3
CAP8X8 [mil]
  round 60 hole 30: 1(0,140) 2(0,2.2)
  silkscreen extent -157,-86 157,229
CD1608-0603 [mm] "Chip Diode; Body 1.6 x 0.8 mm (LxW typ)"
  rect 1.1x1 smd: 1(-0.85,0) 2(0.85,0)
  silkscreen extent 1.7,-0.4 1.7,0.4
D [mm] "Capacitor, SM Tantalum; Body 7.3 x 4.3 mm (LxW typ)"
  rect 2.6x2.4 smd: 1(-3.2,0) 2(3.2,0)
  silkscreen extent -4.58,-2.3 3.8,2.42